# Altium PCB Bi_Dir.PcbDoc
Units mm, origin at the board's own origin, x right, y up, seen from the top; angles counter-clockwise.
Board outline 100 x 100 mm, 2 copper layers (Top Layer, Bottom Layer); 66 components, 44 nets, 201 pads, 403 vias.
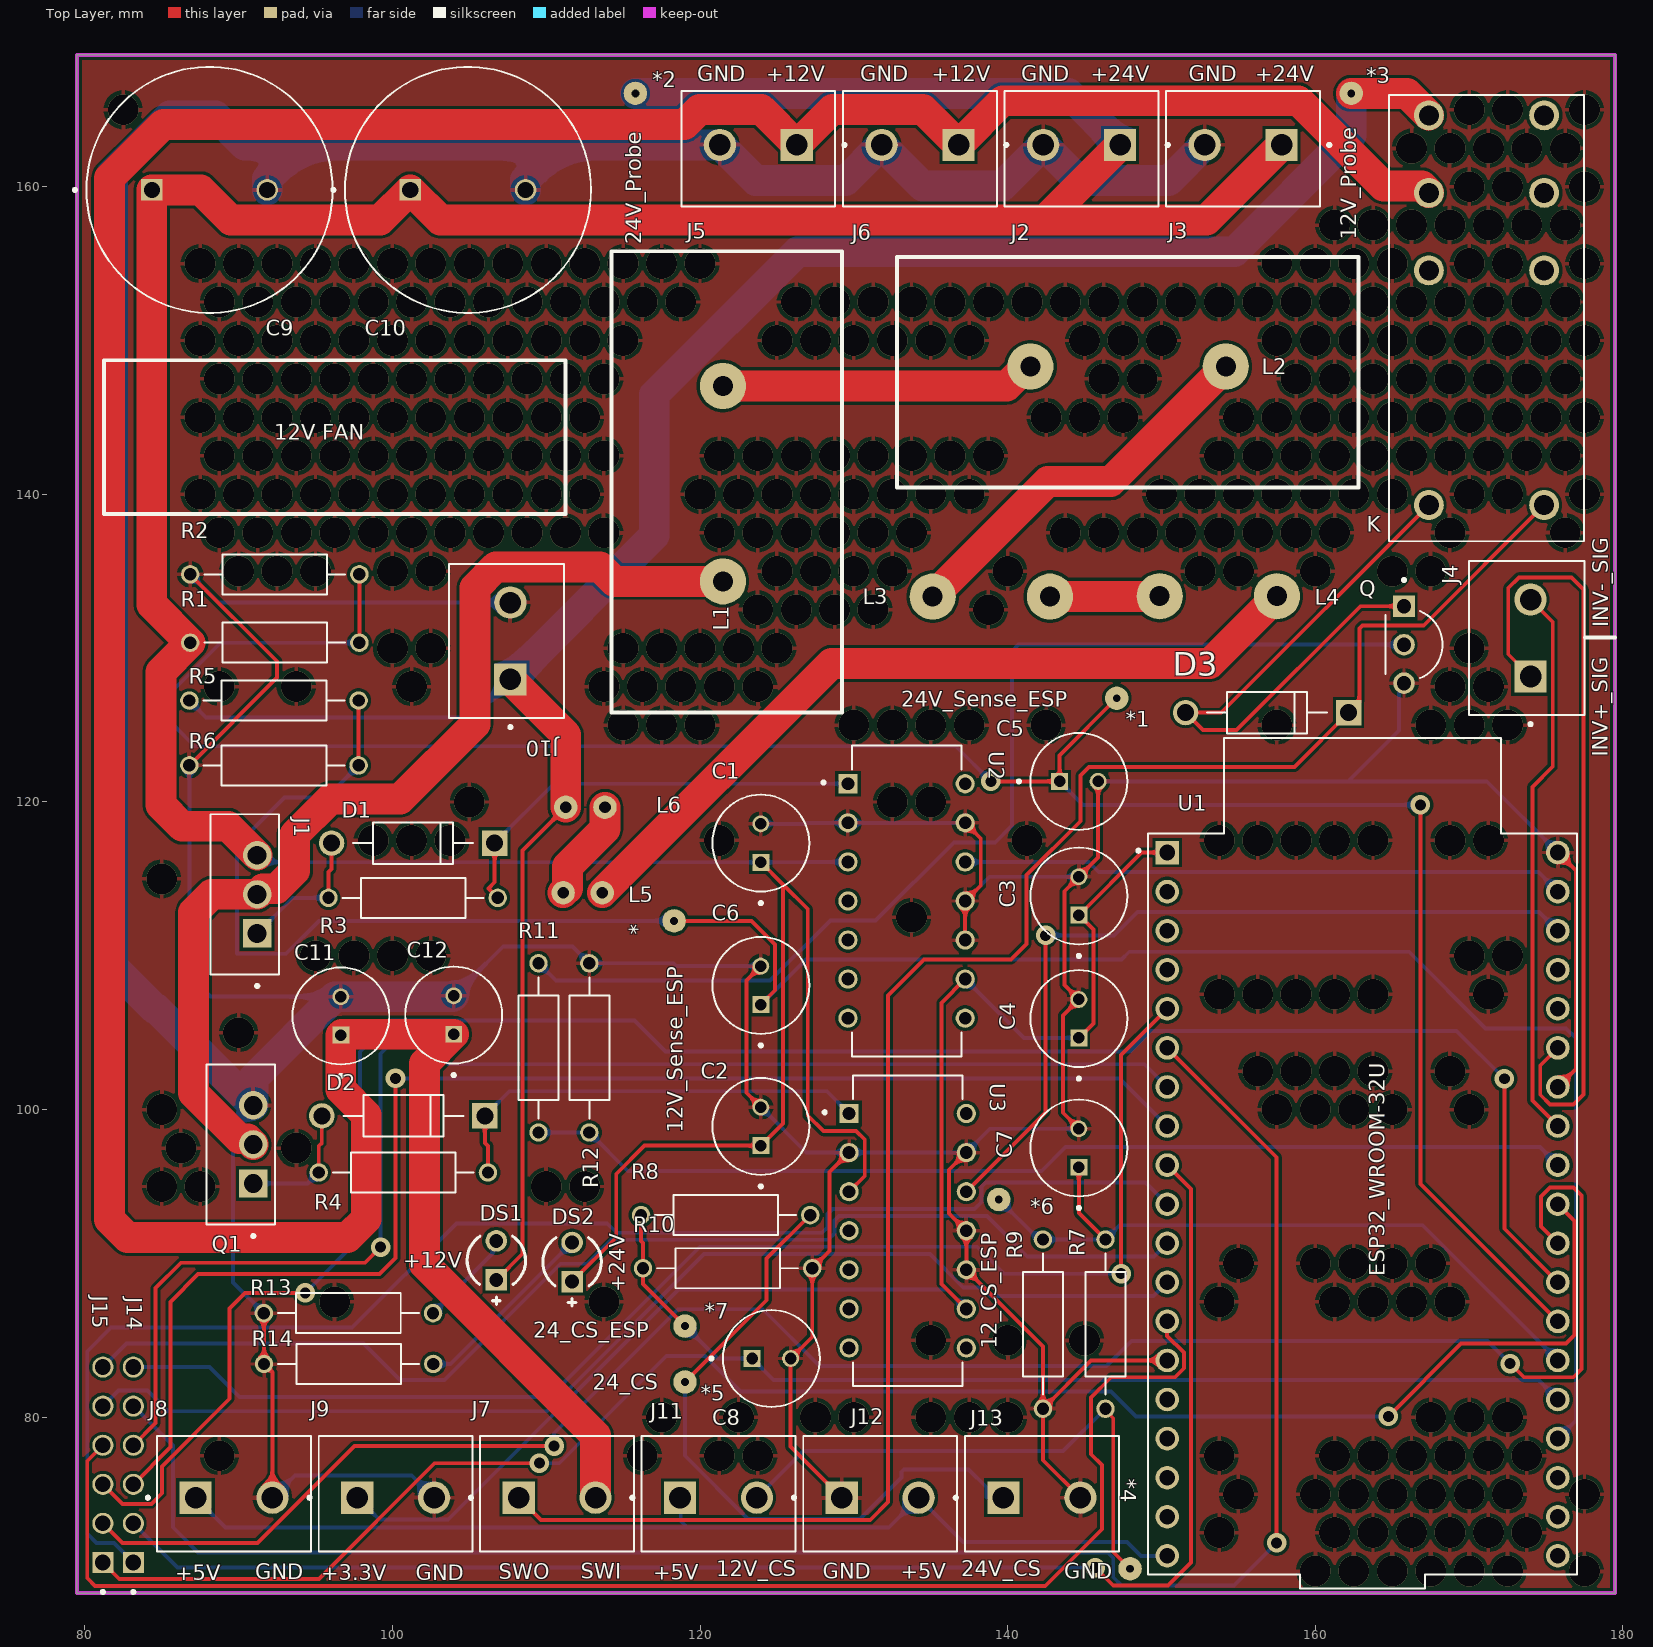
[diagram p0: Top Layer view]
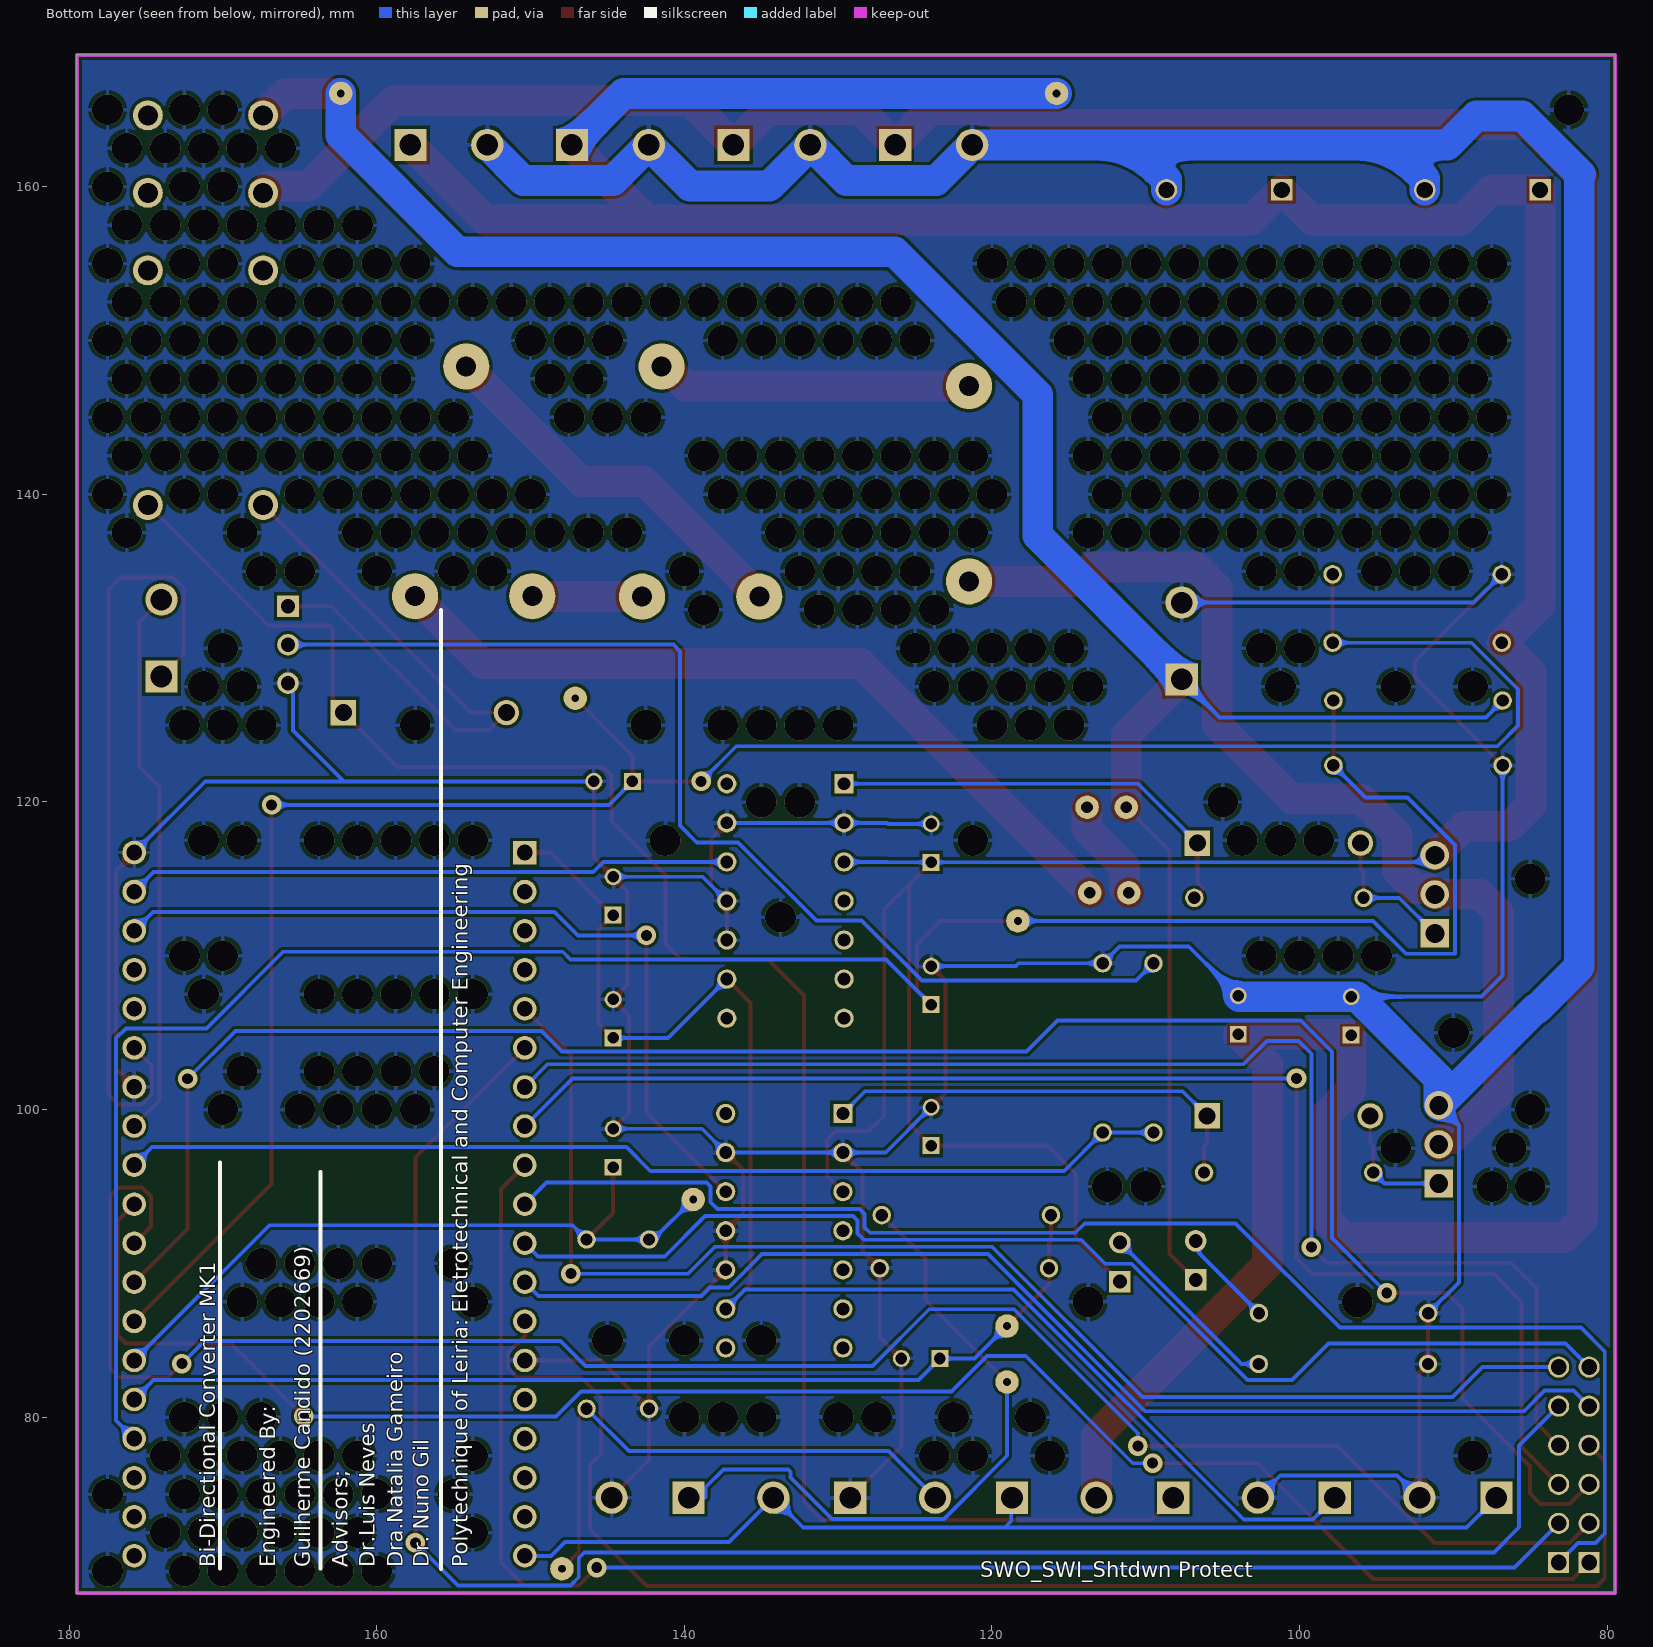
[diagram p1: Bottom Layer view, seen from below]
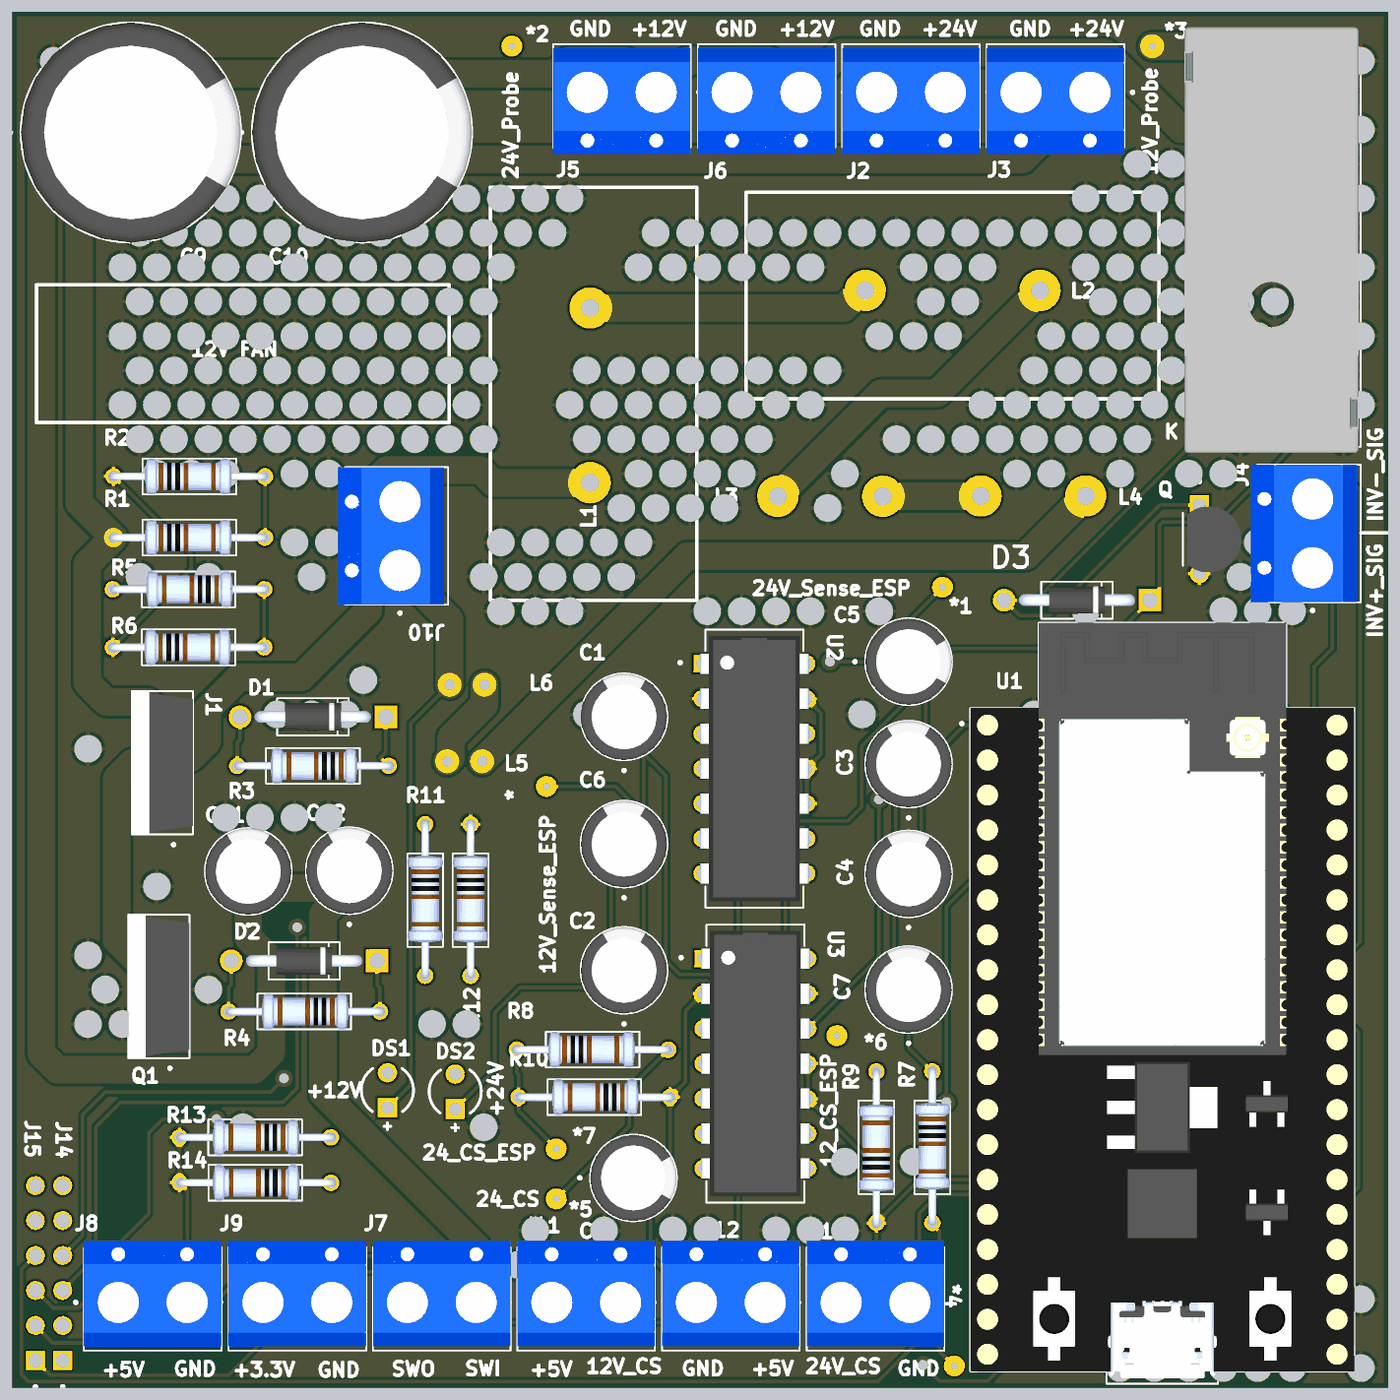
[diagram p2: 3D render of the assembled board from above, using the file's embedded part models]

## Layer stack, top to bottom
Top Solder: solder mask 0.0102, Solder Resist, Dk 3.5
Top Layer: signal copper 0.0356
Dielectric 1: dielectric 0.32, FR-4, Dk 4.8
Bottom Layer: signal copper 0.0356
Bottom Solder: solder mask 0.0102, Solder Resist, Dk 3.5

## Board outline
79.49,68.568 79.49,168.568 179.49,168.568 179.49,68.568

## Design rules (kind name [scope] priority, off if disabled: settings)
Clearance [All] p1: gap=0.2 ignorepadtopadclearanceinfootprint=FALSE
PolygonConnect [All] p1: connectstyle=Relief reliefconductorwidth=0.254 reliefentries=4 polygonreliefangle="90 Angle" airgapwidth=0.254
RoutingVias [All] p1: holewidth=0.711 width=1.27 viastyle="Through Hole" minholewidth=0.711 minwidth=1.27 maxholewidth=0.711 maxwidth=1.27
SolderMaskExpansion [All] p1: expansion=0.102 istentingtop=FALSE
Width [All] p1: maxlimit=2.5 minlimit=0.254 preferedwidth=0.254 minimp=50.000000 maximp=50.000000 favimp=50.000000
30 further rules are at their usual default settings.

## Classes and differential pairs
component class IR2110: C1 C2 C3 C4 U2 U3
component class ESP32: * J14 J15 U1
component class "Current Sense": *4 *5 *6 *7 C7 C8 R7 R8 R9 R10
component class Connectors: C9 C10 C11 C12 D3 DS1 DS2 J2 J3 J4 J5 J6 J7 J8 J9 J10 J11 J12 J13 K Q R11 R12 R13 R14
component class Bi_Dir_Circuit: * *1 *2 *3 C5 C6 D1 D2 J1 L1 L2 L3 L4 L5 L6 Q1 R1 R2 R3 R4 R5 R6

## Components (designator, comment, footprint, x,y, rotation, side; value= is the part's Value field where it differs from the comment)
* "Probe" Probe#1 118.313,112.268 r0 top
*1 "Probe" Probe#1 147.091,126.746 r0 top
*2 "Probe" Probe#2 115.799,165.608 r0 top
*3 "Probe" Probe#1 162.331,166.065 r0 top
*4 "Probe" Probe#1 147.955,70.155 r270 top
*5 "Probe" Probe#1 119.024,82.296 r0 top
*6 "Probe" Probe#1 139.421,94.158 r0 top
*7 "Probe" Probe#3 119.05,85.928 r0 top
C1 "10uF Cap" CAP_10uF 123.952,117.328 r90 top
C2 "10uF Cap" CAP_10uF 123.952,98.908 r90 top
C3 "10uF Cap" CAP_10uF 144.628,113.888 r90 top
C4 "10uF Cap" CAP_10uF 144.628,105.913 r90 top
C5 "10uF Cap" CAP_10uF 144.628,121.336 r0 top
C6 "10uF Cap" CAP_10uF 123.952,108.077 r90 top
C7 "10uF Cap" CAP_10uF 144.628,97.505 r90 top
C8 "10uF Cap" CAP_10uF 124.638,83.82 r0 top
C9 "10uF Cap" 2200uF_Cap 88.113,159.791 r0 top
C10 "10uF Cap" 2200uF_Cap 104.911,159.791 r0 top
C11 "10uF Cap" CAP_10uF 96.647,106.09 r90 top
C12 "10uF Cap" CAP_10uF 103.988,106.147 r90 top
D1 "1N4148" "1N4007 DIODE" 101.346,117.323 r180 top
D2 "1N4148" "1N4007 DIODE" 100.711,99.593 r180 top
D3 "1N4148" "1N4007 DIODE" 156.87,125.806 r180 top
DS1 "LTL-1CHE" LED3mm 106.756,90.195 r90 top
DS2 "LTL-1CHE" LED3mm 111.684,90.094 r90 top
J1 "IRF5305" IRF5305 90.401,113.995 r90 top
J2 "KF301-2P" KF301-2P 144.805,162.712 r180 top
J3 "KF301-2P" KF301-2P 155.306,162.712 r180 top
J4 "KF301-2P" KF301-2P 173.99,130.658 r90 top
J5 "KF301-2P" KF301-2P 123.789,162.712 r180 top
J6 "KF301-2P" KF301-2P 134.304,162.712 r180 top
J7 "KF301-2P" KF301-2P 110.708,74.771 r0 top
J8 "KF301-2P" KF301-2P 89.702,74.771 r0 top
J9 "KF301-2P" KF301-2P 100.214,74.771 r0 top
J10 "KF301-2P" KF301-2P 107.671,130.465 r90 top
J11 "KF301-2P" KF301-2P 121.198,74.771 r0 top
J12 "KF301-2P" KF301-2P 131.71,74.771 r0 top
J13 "KF301-2P" KF301-2P 142.225,74.771 r0 top
J14 "6 Pin Header" 6Pin 80.39,76.911 r270 top
J15 "6 Pin Header" 6Pin 78.408,76.911 r270 top
K "relay 8pin" "Relay socket 8pin" 171.129,151.969 r90 top
L1 "Coil_500mil" "Coil Header_500mil" 121.488,134.341 r0 top
L2 "Coil_500mil" "Coil Header_500mil" 141.478,148.311 r270 top
L3 "Coil_300mil" "Coil Header_300mil" 135.128,133.35 r270 top
L4 "Coil_300mil" "Coil Header_300mil" 149.885,133.375 r270 top
L5 "Coil_100mil" "Coil Header_100mil" 113.64,114.097 r90 top
L6 "Coil_100mil" "Coil Header_100mil" 113.817,119.659 r90 top
Q "BC548" bc548 166.421,130.226 r270 top
Q1 "IRF530NPBF" IRF530N 90.147,97.739 r90 top
R1 "Resistor_Through Hole" "Resistor_Through Hole" 92.354,130.353 r0 top
R2 "Resistor_Through Hole" "Resistor_Through Hole" 92.354,134.798 r0 top
R3 "Resistor_Through Hole" "Resistor_Through Hole" 101.346,113.767 r180 top
R4 "Resistor_Through Hole" "Resistor_Through Hole" 100.711,95.91 r180 top
R5 "Resistor_Through Hole" "Resistor_Through Hole" 92.304,126.594 r180 top
R6 "Resistor_Through Hole" "Resistor_Through Hole" 92.304,122.377 r0 top
R7 "Resistor_Through Hole" "Resistor_Through Hole" 146.355,86.055 r270 top
R8 "Resistor_Through Hole" "Resistor_Through Hole" 121.666,93.142 r0 top
R9 "Resistor_Through Hole" "Resistor_Through Hole" 142.291,86.055 r90 top
R10 "Resistor_Through Hole" "Resistor_Through Hole" 121.793,89.687 r180 top
R11 "Resistor_Through Hole" "Resistor_Through Hole" 109.499,104.013 r270 top
R12 "Resistor_Through Hole" "Resistor_Through Hole" 112.801,104.013 r270 top
R13 "Resistor_Through Hole" "Resistor_Through Hole" 97.143,86.766 r180 top
R14 "Resistor_Through Hole" "Resistor_Through Hole" 97.155,83.464 r180 top
U1 "ESP32-DEVKITC-32U" MODULE_ESP32-DEVKITC-32U 163.068,93.863 r0 top
U2 "IR2110" IR2110 133.426,113.563 r0 top
U3 "IR2110" IR2110 133.502,92.126 r0 top

## Footprints (in the part's own frame and the unit in brackets; to place one, negate y for a bottom-side part, rotate by r counter-clockwise, add the part's x,y. Pads: shape width x height; smd on the part's side, far side on the other; paste and mask are expansions set on the pad)
"1N4007 DIODE" [mm]
  round 1.65 hole 1.1: A(5.3,0)
  rect 1.65x1.65 / inner round 1.65 / far side rect 1.65x1.65 hole 1.1: C(-5.3,0)
  silkscreen extent -3.9,-1.35 3.9,1.35, body extent -4.24,-1 4.24,1, height 2
6Pin [mm]
  rect 1.37x1.37 / inner round 1.37 / far side rect 1.37x1.37 hole 1.02: 01(6.35,2.77)
  round 1.37 hole 1.02: 02(3.81,2.77) 03(1.27,2.77) 04(-1.27,2.77) 05(-3.81,2.77) 06(-6.35,2.77)
  silkscreen extent 8.17,2.67 8.37,2.87
2200uF_Cap [mm]
  round 1.4 hole 1.05: N(3.75,0)
  rect 1.4x1.4 hole 1.05: P(-3.75,0)
  silkscreen extent -8.85,-8 8,8, body extent -8,-8 8,8, height 31.5
bc548 [mm]
  rect 1.4x1.4 hole 0.93: 1(-2.5,-0.655)
  round 1.4 hole 0.93: 2(0,-0.655) 3(2.5,-0.655)
  silkscreen extent -4.3,-1.85 2.18,1.85, body extent -2.4,-1.53 2.4,2.4, height 7.74
CAP_10uF [mm]
  round 1.1 hole 0.75: N(1.25,0)
  rect 1.1x1.1 hole 0.75: P(-1.25,0)
  silkscreen extent -4,-3.15 3.15,3.15, body extent -3.15,-3.15 3.15,3.15, height 11.2
"Coil Header_100mil" [mil]
  round 60 hole 30: 1(0,0) 2(0,100)
"Coil Header_300mil" [mm]
  round 3 hole 1.3: 1(0,0) 2(0,7.62)
"Coil Header_500mil" [mm]
  round 3 hole 1.3: 1(0,0) 2(0,12.7)
IR2110 [mm]
  rect 1.25x1.25 / inner round 1.25 / far side rect 1.25x1.25 hole 0.83: 1(-3.81,7.62)
  round 1.25 hole 0.83: 2(-3.81,5.08) 3(-3.81,2.54) 4(-3.81,0) 5(-3.81,-2.54) 6(-3.81,-5.08) 7(-3.81,-7.62) 8(3.81,-7.62) 9(3.81,-5.08) 10(3.81,-2.54) 11(3.81,0) 12(3.81,2.54) 13(3.81,5.08) 14(3.81,7.62)
  silkscreen extent -5.5,-10.1 3.56,10.1, body extent -3.96,-9.65 3.96,9.65, height 5.33
IRF530N [mm]
  rect 1.845x1.845 hole 1.23: 1(-2.54,-0.81)
  round 1.845 hole 1.23: 2(0,-0.81) 3(2.54,-0.81)
  silkscreen extent -6.06,-2.22 5.21,2.22, body extent -5.21,-2.22 5.21,2.22, height 19.3
IRF5305 [mm]
  rect 1.845x1.845 / inner round 1.845 / far side rect 1.845x1.845 hole 1.23: 1(-2.54,-0.81)
  round 1.845 hole 1.23: 2(0,-0.81) 3(2.54,-0.81)
  silkscreen extent -6.06,-2.22 5.21,2.22, body extent -5.21,-2.22 5.21,2.22, height 19.3
KF301-2P [mm]
  rect 2.1x2.1 hole 1.4: 1(-2.5,0)
  round 2.1 hole 1.4: 2(2.5,0)
  silkscreen extent -5.7,-3.5 5,4, body extent -5,-3.2 5,4.5, height 10
LED3mm [mm] "THD, 2-Leads, Dia 3.8mm, Pitch 2.54mm"
  rect 1.4x1.4 hole 0.9: 1(-1.27,0)
  round 1.4 hole 0.9: 2(1.27,0)
  silkscreen extent -2.87,-1.9 1.58,1.9, body extent -1.9,-1.9 1.9,1.9, height 6.5
MODULE_ESP32-DEVKITC-32U [mm]
  rect 1.53x1.53 / inner round 1.53 / far side rect 1.53x1.53 hole 1.02 mask+0.05: 1(-12.7,22.85)
  round 1.53 hole 1.02 mask+0.05: 2(-12.7,20.31) 3(-12.7,17.77) 4(-12.7,15.23) 5(-12.7,12.69) 6(-12.7,10.15) 7(-12.7,7.61) 8(-12.7,5.07) 9(-12.7,2.53) 10(-12.7,-0.01) 11(-12.7,-2.55) 12(-12.7,-5.09) 13(-12.7,-7.63) 14(-12.7,-10.17) 15(-12.7,-12.71) 16(-12.7,-15.25) 17(-12.7,-17.79) 18(-12.7,-20.33) 19(-12.7,-22.87) 20(12.7,-22.87) 21(12.7,-20.33) 22(12.7,-17.79) 23(12.7,-15.25) 24(12.7,-12.71) 25(12.7,-10.17) 26(12.7,-7.63) 27(12.7,-5.09) 28(12.7,-2.55) 29(12.7,-0.01) 30(12.7,2.53) 31(12.7,5.07) 32(12.7,7.61) 33(12.7,10.15) 34(12.7,12.69) 35(12.7,15.23) 36(12.7,17.77) 37(12.7,20.31) 38(12.7,22.85)
  silkscreen extent -14.67,-25 13.95,30.3, body extent -13.95,-24.62 13.95,30.3, height 7.95
Probe#1 [mil]
  round 60 hole 20: 0(0,0)
Probe#2 [mil]
  round 60 hole 20: 0(0,17.99)
Probe#3 [mil]
  round 60 hole 20: 0(-1.02,0)
"Relay socket 8pin" [mm]
  round 1.95 hole 1.3: 11(7.63,-3.75) 12(2.59,-3.75) 14(12.67,-3.75) 21(7.63,3.75) 22(2.59,3.75) 24(12.67,3.75) A1(-12.67,-3.75) A2(-12.67,3.75)
  silkscreen extent -15.02,-6.35 13.98,6.35, body extent -15.48,-6.2 15.48,6.45, height 8.9
"Resistor_Through Hole" [mm]
  round 1.2 hole 0.8: 1(-5.5,0) 2(5.5,0)
  silkscreen extent -4.58,-1.3 4.58,1.3, body extent -5.84,-1.29 5.71,1.29, height 2.6

## Part data
C1 C2 C3 C4 C5 C6 C7 C8 C9 C10 C11 C12: "CAP ALUM 10UF 20% 50V RADIAL", Package="RADIAL-2 Panasonic", Availability="In Stock", Check_prices=https://www.snapeda.com/parts/ECE-A1HN100UI/Panasonic/view-part/2321690/?ref=eda, MF=Panasonic, MP=ECE-A1HN100UI, Price=None, SnapEDA_Link=https://www.snapeda.com/parts/ECE-A1HN100UI/Panasonic/view-part/2321690/?ref=snap
D1 D2 D3: library part 1N4007, "Diode Standard 1000 V 1A Through Hole DO-41", Package="DO-41 NTE Electronics", Availability="In Stock", Check_prices=https://www.snapeda.com/parts/1N4007/NTE+Electronics/view-part/?ref=eda, MF="NTE Electronics, Inc.", MP=1N4007, Price=None, Purchase-URL=https://pricing.snapeda.com/search/part/1N4007/?ref=eda, SnapEDA_Link=https://www.snapeda.com/parts/1N4007/NTE+Electronics/view-part/?ref=snap
DS1 DS2: library part "RED_LED 3mm", "Radial LED, 12.6 mcd, 20 mA, 2 V, -55 to 100 degC, 2-Pin THD, RoHS, Bulk", Case\Package=Radial, Current Rating="3.6 A", Max Operating Temperature="130 degC", Min Operating Temperature="-40 degC", Package Quantity=55, Resistance="0.045 Ohm", Tolerance=20%, ComponentLink1Description="Manufacturer URL", ComponentLink1URL=http://www.us.liteon.com/, ComponentLink2Description=Datasheet, ComponentLink2URL=https://datasheet.ciiva.com/15117/getdatasheetpartid-187746-15117985.pdf, DatasheetVersion=Dec-03, Height="1.1 inch", Lead Pitch="11.44 mm", Length="0.97 inch", Mount="Through Hole", PackageDescription="2-Pin Through Hole Device, Dia 3.8 mm, Pitch 2.54 mm", PackageReference=LTL-1CHE, Packaging=Tray, Radiation Hardening=No, RoHSCompliant=true, Shielding=Unshielded, Width="0.62 inch"
J1: "P-Channel 55 V 31A (Tc) 3.8W (Ta), 110W (Tc) Surface Mount D2PAK", Package="TO-220 Infineon", Availability="In Stock", Check_prices=https://www.snapeda.com/parts/IRF5305/Infineon+Technologies/view-part/?ref=eda, MF="Infineon Technologies", MP=IRF5305, Price=None, SnapEDA_Link=https://www.snapeda.com/parts/IRF5305/Infineon+Technologies/view-part/?ref=snap
J2 J3 J4 J5 J6 J7 J8 J9 J10 J11 J12 J13: "2 Pin Terminal Block 5mm Pitch", Package=None, Availability=Unavailable, MP=KF301-2P, Price=None
J14 J15: "HEADER, 6 CONTACTS, 1 ROW, THROUGH HOLE, 2.54 MM; Connector Systems:Board-to-Board; Pitch Spacing:2.54mm; No. of Rows:1Rows; No. of Contacts:6Contacts; Contact Termination Type:Through Hole Right Angle; Product Range:HTSW Series RoHS Compliant: Yes", Package=None, Availability="In Stock", Check_prices=https://www.snapeda.com/parts/HTSW10608SSLA/Samtec/view-part/?ref=eda, MF=Samtec, MP=HTSW10608SSLA, Price=None, Purchase-URL=https://pricing.snapeda.com/search/part/HTSW10608SSLA/?ref=eda, SnapEDA_Link=https://www.snapeda.com/parts/HTSW10608SSLA/Samtec/view-part/?ref=snap
K: "General Purpose Relay DPDT _2 Form C_ 24VDC Coil Through Hole", Package=None, Availability=Unavailable, MF="TE Connectivity", MP=1-1393243-0, Price=None, SnapEDA_Link=https://www.snapeda.com/parts/1-1393243-0/TE%20Connectivity%20Potter%20&%20Brumfield%20Relays/view-part/244556/?ref=snap
L1 L2 L3 L4 L5 L6: "Inductor Power Wirewound 470uH 10% 1KHz 25Q-Factor Ferrite 210mA 3.3Ohm DCR T/R", Package="Nonstandard Bourns", Digi-Key_Part_Number=SDR0604-471KLCT-ND, Digi-Key_Purchase_URL=https://www.digikey.com/product-detail/en/bourns-inc/SDR0604-471KL/SDR0604-471KLCT-ND/2352941?utm_source=snapeda&utm_medium=aggregator&utm_campaign=symbol, MF=Bourns, MP=SDR0604-471KL, SnapEDA_Link=https://www.snapeda.com/parts/SDR0604-471KL/Bourns/view-part/567387/?ref=snap
Q: "Bipolar (BJT) Transistor NPN 30V 100mA 300MHz 500mW Through Hole TO-92-3", Package="TO-92 ON Semiconductor", Availability=Warning, DigiKey-Purchase-URL=https://snapeda.com/shop?store=DigiKey&id=2007035, MF="ON Semiconductor", MP=BC548, Price=None, SnapEDA_Link=https://www.snapeda.com/parts/BC548/ON%20Semiconductor/view-part/2007035/?ref=snap
Q1: "RoHS Compliant", Package="TO-220 Infineon", Availability="In Stock", Check_prices=https://www.snapeda.com/parts/IRF530NPBF/Infineon+Technologies/view-part/?ref=eda, MF="Infineon Technologies", MP=IRF530NPBF, Price=None, Purchase-URL=https://pricing.snapeda.com/search/part/IRF530NPBF/?ref=eda, SnapEDA_Link=https://www.snapeda.com/parts/IRF530NPBF/Infineon+Technologies/view-part/?ref=snap
R1 R2 R3 R4 R5 R6 R7 R8 R9 R10 R11 R12 R13 R14: "1.02 Ohms Â±1% 0.25W, 1/4W Through Hole Resistor Axial Metal Film", Package="Axial Yageo", Availability=Warning, Check_prices=https://www.snapeda.com/parts/MFR-25FTE52-1R/Yageo/view-part/4629919/?ref=eda, MF=Yageo, MP=MFR-25FTE52-1R, Price=None, Purchase-URL=https://pricing.snapeda.com/search/part/MFR-25FTE52-1R/?ref=eda, SnapEDA_Link=https://www.snapeda.com/parts/MFR-25FTE52-1R/Yageo/view-part/4629919/?ref=snap
U1: "ESP32-WROOM-32UE series Transceiver; 802.11 b/g/n (Wi-Fi, WiFi, WLAN), BluetoothÂ® Smart Ready 4.x Dual Mode Evaluation Board", Package=None, Availability="In Stock", Check_prices=https://www.snapeda.com/parts/ESP32-DEVKITC-32U/Espressif+Systems/view-part/?ref=eda, MF="Espressif Systems", MP=ESP32-DEVKITC-32U, Price=None, Purchase-URL=https://pricing.snapeda.com/search/part/ESP32-DEVKITC-32U/?ref=eda, SnapEDA_Link=https://www.snapeda.com/parts/ESP32-DEVKITC-32U/Espressif+Systems/view-part/?ref=snap
U2 U3: "Half-Bridge Gate Driver IC Non-Inverting 16-SOIC", Package="SOIC-16 International Rectifier", Availability="In Stock", Check_prices=https://www.snapeda.com/parts/IR2110/Infineon+Technologies/view-part/?ref=eda, MF=Infineon, MP=IR2110, Price=None, Purchase-URL=https://pricing.snapeda.com/search/part/IR2110/?ref=eda, SnapEDA_Link=https://www.snapeda.com/parts/IR2110/Infineon+Technologies/view-part/?ref=snap

## Via types
v1: diameter 2, hole 2, Top Layer to Bottom Layer, tented both sides, 389 vias
v2: diameter 1.27, hole 0.711, Top Layer to Bottom Layer, tented both sides, 14 vias

## Nets (pads, with @x,y where several pads share a name; then routed paths per layer and width w, separated by ;. In a path a pad name is that pad's centre, name@x,y a point inside that pad or via, vN(x,y) a via of type N, cw(c..) or ccw(c..) an arc to the next point about the centre after c; other vN are vias at no path point)
+3.3: C3.P C4.P J9.1 U1.1 U2.9 U3.9 | length 94.8
  Top Layer w0.254: U2.9 135.687,106.934 135.687,88.671 U3.9 ; C4.P 145.567,105.602 145.567,111.699 C3.P 148.703,116.713 U1.1
  Bottom Layer w0.254: J9.1 99.145,73.34 103.632,73.34 118.608,88.316 136.042,88.316 U3.9 ; U2.9 141.057,104.663 C4.P
+5: J8.1 J11.1 J12.2 U1.19 | length 68.5
  Bottom Layer w0.254: J8.1 89.141,72.832 132.271,72.832 J12.2 137.096,71.885 147.765,71.885 148.657,70.993 U1.19 ; J11.1 118.745,74.724 118.745,73.254 119.167,72.832
+12: *3.0 DS1.1 J10.1 K.24 L6.2 R5.2 | length 147.8
  Top Layer w0.254: DS1.1 108.458,90.627 108.458,116.84 L6.2
  Top Layer w2: J10.1 111.277,124.358 L6.2 ; *3.0 165.953,166.065 K.24
  Bottom Layer w0.254: R5.2 87.896,125.501 105.207,125.501 J10.1
  Bottom Layer w2: J10.1 117.023,137.318 117.023,146.47 126.326,155.773 154.74,155.773 162.331,163.364 *3.0
+24: *2.0 C1.P C2.P C9.P C10.P DS2.1 J1.3 J2.1 J3.1 R1.1 U2.3 U3.3 | length 267.8
  Top Layer w0.254: DS2.1 114.554,91.694 114.554,95.809 116.403,97.658 C2.P 125.391,99.097 125.391,114.639 ; C1.P 125.391,114.639 ; U3.3 130.708,95.682 130.708,98.044 130.15,98.603 128.016,98.603 127,99.619 127,113.03 125.391,114.639
  Top Layer w2: J1.3 89.332,118.415 86.338,118.415 84.95,119.803 84.95,128.448 R1.1 84.363,132.845 C9.P 87.54,159.791 89.494,157.837 99.208,157.837 C10.P 103.115,157.837 142.43,157.837 ; J2.1 142.43,157.837 ; J3.1 152.931,157.837 142.43,157.837
  Bottom Layer w0.254: J1.3 91.211,116.078 C1.P 126.771,116.078 126.797,116.103 U2.3
  Bottom Layer w2: *2.0 143.953,166.065 J2.1
GND: C1.N C2.N C3.N C4.N C5.N C6.N C7.N C8.N C9.N C10.N C11.N C12.N J2.2 J3.2 J5.2 J6.2 J8.2 J9.2 J10.2 J12.1 J13.2 Q1.3 Q.3 R2.1 R6.1 R9.1 R10.1 R12.1 R13.2 R14.2 U1.14 U1.32 U1.38 U2.2 U2.10 U2.11 U2.13 U3.2 U3.10 U3.11 U3.13 | length 496.2
  Top Layer w0.254: R6.1 92.507,128.08 92.507,129.145 R2.1 ; R13.2 91.643,85.102 91.655,85.09 R14.2 92.202,82.917 J8.2 ; C2.N 123.012,101.097 123.012,108.387 C6.N ; J12.1 125.888,78.093 C8.N 127.293,85.225 R10.1 128.422,90.817 128.422,95.936 U3.2 ; U2.10 U2.11 138.252,114.579 138.252,117.627 U2.13 ; U3.13 136.195,96.088 136.195,93.243 U3.11 U3.10 142.291,84.607 R9.1 ; C7.N 143.586,99.797 143.586,106.121 C4.N 143.688,108.103 143.688,114.198 C3.N 145.878,116.388 C5.N ; J13.2 142.291,77.206 R9.1 ; U1.14 145.429,83.693 R9.1 ; U1.32 176.936,102.641 176.936,115.545 U1.38
  Bottom Layer w0.254: R6.1 86.804,108.712 88.175,107.34 96.274,107.34 C11.N ; R2.1 88.687,132.965 J10.2 ; Q1.3 89.637,98.958 89.637,88.773 R13.2 ; J8.2 93.656,76.225 101.259,76.225 J9.2 ; C12.N 107.208,110.617 111.697,110.617 R12.1 118.262,109.513 118.448,109.327 C6.N ; C2.N 126.904,97.206 U3.2 U3.13 138.862,98.755 C7.N ; C1.N 126.746,118.578 126.811,118.643 U2.2 U2.13 ; U2.11 138.811,115.138 C3.N ; C5.N 162.128,121.336 ; Q.3 165.766,127.416 165.438,127.088 165.438,124.645 162.128,121.336 ; U1.38 171.145,121.336 162.128,121.336
  Bottom Layer w2: C9.N 91.863,160.493 94.082,162.712 ; C12.N 103.931,107.34 C11.N 96.274,107.34 90.957,102.024 Q1.3 84.684,106.553 84.557,106.553 81.813,109.296 81.813,160.706 81.727,160.792 85.528,164.592 88.519,164.592 90.399,162.712 94.082,162.712 ; C10.N 108.661,160.452 110.922,162.712 ; J3.2 152.779,162.712 150.475,160.408 144.636,160.408 142.332,162.712 J2.2 139.638,160.045 134.471,160.045 J6.2 131.777,162.712 129.473,160.408 123.62,160.408 121.316,162.712 J5.2 110.922,162.712 ; 94.082,162.712 110.922,162.712
  other v1: 160,70 162.5,70 165,70 167.5,70 170,70 172.5,70 177.5,70 153.75,72.5 161.25,72.5 163.75,72.5 166.25,72.5 168.75,72.5 171.25,72.5 173.75,72.5 155,75 160,75 162.5,75 165,75 167.5,75 170,75 172.5,75 177.5,75 88.75,77.5 116.25,77.5 121.25,77.5 123.75,77.5 153.75,77.5 161.25,77.5 163.75,77.5 166.25,77.5 168.75,77.5 171.25,77.5 173.75,77.5 117.5,80 122.5,80 127.5,80 130,80 135,80 137.5,80 140,80 167.5,80 170,80 172.5,80 135,85 140,85 145,85 96.25,87.5 113.75,87.5 153.75,87.5 161.25,87.5 163.75,87.5 166.25,87.5 168.75,87.5 155,90 160,90 162.5,90 165,90 167.5,90 85,95 87.5,95 110,95 112.5,95 86.25,97.5 93.75,97.5 85,100 157.5,100 160,100 162.5,100 165,100 170,100 156.25,102.5 158.75,102.5 161.25,102.5 163.75,102.5 168.75,102.5 90,105 153.75,107.5 156.25,107.5 158.75,107.5 161.25,107.5 163.75,107.5 171.25,107.5 95,110 97.5,110 100,110 102.5,110 170,110 172.5,110 133.75,112.5 85,115 98.75,117.5 101.25,117.5 103.75,117.5 121.25,117.5 141.25,117.5 153.75,117.5 156.25,117.5 158.75,117.5 161.25,117.5 163.75,117.5 168.75,117.5 171.25,117.5 105,120 132.5,120 135,120 115,125 117.5,125 120,125 130,125 132.5,125 135,125 137.5,125 142.5,125 157.5,125 167.5,125 170,125 172.5,125 88.75,127.5 93.75,127.5 101.25,127.5 113.75,127.5 116.25,127.5 118.75,127.5 121.25,127.5 123.75,127.5 168.75,127.5 171.25,127.5 100,130 102.5,130 115,130 117.5,130 120,130 122.5,130 125,130 170,130 123.75,132.5 126.25,132.5 128.75,132.5 131.25,132.5 138.75,132.5 90,135 92.5,135 95,135 100,135 102.5,135 125,135 127.5,135 130,135 132.5,135 140,135 152.5,135 155,135 160,135 165,135 167.5,135 88.75,137.5 91.25,137.5 93.75,137.5 96.25,137.5 98.75,137.5 101.25,137.5 103.75,137.5 106.25,137.5 108.75,137.5 111.25,137.5 113.75,137.5 121.25,137.5 123.75,137.5 126.25,137.5 128.75,137.5 131.25,137.5 133.75,137.5 143.75,137.5 146.25,137.5 148.75,137.5 151.25,137.5 153.75,137.5 156.25,137.5 158.75,137.5 161.25,137.5 168.75,137.5 176.25,137.5 87.5,140 90,140 92.5,140 95,140 97.5,140 100,140 102.5,140 105,140 107.5,140 110,140 112.5,140 120,140 122.5,140 125,140 127.5,140 130,140 132.5,140 135,140 137.5,140 150,140 152.5,140 155,140 157.5,140 160,140 162.5,140 165,140 170,140 172.5,140 177.5,140 88.75,142.5 91.25,142.5 93.75,142.5 96.25,142.5 98.75,142.5 101.25,142.5 103.75,142.5 106.25,142.5 108.75,142.5 111.25,142.5 113.75,142.5 121.25,142.5 123.75,142.5 126.25,142.5 128.75,142.5 131.25,142.5 133.75,142.5 136.25,142.5 138.75,142.5 153.75,142.5 156.25,142.5 158.75,142.5 161.25,142.5 163.75,142.5 166.25,142.5 168.75,142.5 171.25,142.5 173.75,142.5 176.25,142.5 87.5,145 90,145 92.5,145 95,145 97.5,145 100,145 102.5,145 105,145 107.5,145 110,145 112.5,145 142.5,145 145,145 147.5,145 155,145 157.5,145 160,145 162.5,145 165,145 167.5,145 170,145 172.5,145 175,145 177.5,145 88.75,147.5 91.25,147.5 93.75,147.5 96.25,147.5 98.75,147.5 101.25,147.5 103.75,147.5 106.25,147.5 108.75,147.5 111.25,147.5 113.75,147.5 146.25,147.5 148.75,147.5 158.75,147.5 161.25,147.5 163.75,147.5 166.25,147.5 168.75,147.5 171.25,147.5 173.75,147.5 176.25,147.5 87.5,150 90,150 92.5,150 95,150 97.5,150 100,150 102.5,150 105,150 107.5,150 110,150 112.5,150 115,150 125,150 127.5,150 130,150 132.5,150 135,150 137.5,150 145,150 147.5,150 150,150 157.5,150 160,150 162.5,150 165,150 167.5,150 170,150 172.5,150 175,150 177.5,150 88.75,152.5 91.25,152.5 93.75,152.5 96.25,152.5 98.75,152.5 101.25,152.5 103.75,152.5 106.25,152.5 108.75,152.5 111.25,152.5 113.75,152.5 116.25,152.5 118.75,152.5 126.25,152.5 128.75,152.5 131.25,152.5 133.75,152.5 136.25,152.5 138.75,152.5 141.25,152.5 143.75,152.5 146.25,152.5 148.75,152.5 151.25,152.5 153.75,152.5 156.25,152.5 158.75,152.5 161.25,152.5 163.75,152.5 166.25,152.5 168.75,152.5 171.25,152.5 173.75,152.5 176.25,152.5 87.5,155 90,155 92.5,155 95,155 97.5,155 100,155 102.5,155 105,155 107.5,155 110,155 112.5,155 115,155 117.5,155 120,155 157.5,155 160,155 162.5,155 165,155 170,155 172.5,155 177.5,155 161.25,157.5 163.75,157.5 166.25,157.5 168.75,157.5 171.25,157.5 173.75,157.5 176.25,157.5 170,160 172.5,160 177.5,160 166.25,162.5 168.75,162.5 171.25,162.5 173.75,162.5 176.25,162.5 82.5,165 170,165 172.5,165 177.5,165
Net*1_0: *1.0 C5.P R1.2 R2.2 U1.26 | length 147.5
  Top Layer w0.254: R1.2 R2.2 ; v2(138.913,121.336) C5.P 143.378,123.033 *1.0 ; v2(166.827,119.812) 166.827,95.174 U1.26
  Bottom Layer w0.254: R1.2 88.824,130.353 85.801,127.33 85.801,124.968 87.147,123.622 136.627,123.622 v2(138.913,121.336) ; C5.P 144.902,119.812 v2(166.827,119.812)
Net*4_0: *4.0 J11.2 R7.2 | length 36.1
  Top Layer w0.254: R7.2 146.355,80.441 146.863,79.933 146.863,71.247 *4.0
  Bottom Layer w0.254: J11.2 126.727,77.8 143.599,77.8 R7.2
Net*5_0: *5.0 J13.1 R8.2 | length 44.1
  Top Layer w0.254: *5.0 124.333,87.605 124.333,90.309 R8.2
  Bottom Layer w0.254: *5.0 119.024,77.497 123.128,73.394 130.395,73.394 133.096,76.095 133.096,76.458 133.245,76.606 137.465,76.606 138.608,75.463 138.608,74.803 138.64,74.771 J13.1
Net*6_0: *6.0 C7.P R7.1 R9.2 U1.25 | length 46.9
  Top Layer w0.254: C7.P 144.628,93.282 R7.1
  Bottom Layer w0.254: *6.0 142.023,91.555 R9.2 R7.1 147.281,92.481 166.98,92.481 U1.25
Net*7_0: *7.0 C8.P R8.1 R10.2 U1.24 | length 67.1
  Top Layer w0.254: R8.1 116.166,91.465 116.293,91.338 R10.2 116.293,88.659 *7.0
  Bottom Layer w0.254: *7.0 121.132,83.82 C8.P 124.785,82.423 174.498,82.423 U1.24
Net*_0: *.0 C6.P R5.1 R6.2 U1.23 | length 145.4
  Top Layer w0.254: R6.2 97.804,124.46 R5.1 ; *.0 123.359,112.268 124.883,110.744 124.883,107.758 C6.P
  Bottom Layer w0.254: R6.2 95.721,120.294 92.989,120.294 89.891,117.196 89.891,110.134 93.091,110.134 95.225,112.268 *.0 ; C6.P 126.878,109.753 147.396,109.753 147.904,110.261 166.091,110.261 171.069,105.283 176.301,105.283 176.936,104.648 176.936,79.781 U1.23
NetC11_P: C11.P C12.P J5.1 J6.1 J7.2 K.21 | length 235.1
  Top Layer w2: J7.2 113.208,78.824 102.083,89.949 102.083,102.992 C12.P 96.703,104.897 C11.P 96.647,101.298 98.298,99.647 98.298,92.888 97.088,91.678 82.782,91.678 81.61,92.849 81.61,160.56 85.1,164.049 118.99,164.049 119.958,165.016 123.985,165.016 J5.1 128.593,165.016 134.5,165.016 J6.1 139.683,165.591 158.894,165.591 164.44,160.045 166.933,160.045 K.21
NetD1_A: D1.A J1.1 R3.2 | length 9.2
  Top Layer w0.254: R3.2 95.846,115.443 96.046,115.643 D1.A
  Bottom Layer w0.254: J1.1 93.523,113.767 R3.2
NetD1_C: D1.C R3.1 U2.1 | length 28.5
  Top Layer w0.254: D1.C 106.646,114.783 106.238,114.375 R3.1
  Bottom Layer w0.254: D1.C 110.507,121.183 U2.1
NetD2_A: D2.A Q1.1 R4.2 | length 8.3
  Top Layer w0.254: R4.2 95.211,97.638 95.411,97.838 D2.A
  Bottom Layer w0.254: Q1.1 94.5,95.199 R4.2
NetD2_C: D2.C R4.1 U3.1 | length 28.7
  Top Layer w0.254: D2.C 106.011,97.838 106.211,97.638 R4.1
  Bottom Layer w0.254: D2.C 107.611,101.194 128.245,101.194 U3.1
NetD3_A: D3.A K.A2 Q.1 | length 39.4
  Top Layer w0.254: Q.1 162.926,132.726 154.889,124.689 152.688,124.689 D3.A 153.886,125.806 K.A2
NetD3_C: D3.C J7.1 K.A1 | length 121
  Top Layer w0.254: J7.1 109.649,73.33 131.064,73.33 132.232,74.498 132.232,107.417 134.569,109.753 140.208,109.753 141.224,110.769 141.224,115.24 144.729,118.745 144.729,121.717 145.288,122.276 158.64,122.276 D3.C 162.868,126.504 162.868,131.271 163.068,131.47 167.05,131.47 K.A1
NetDS1_2: DS1.2 R13.1 | length 6.3
  Bottom Layer w0.254: R13.1 106.479,90.602 DS1.2
NetDS2_2: DS2.2 R14.1 | length 12.3
  Bottom Layer w0.254: R14.1 103.784,83.464 DS2.2
NetJ1_2: J1.2 L1.1 Q1.2 | length 67.7
  Top Layer w2: Q1.2 90.594,98.103 90.056,98.103 87.071,101.087 87.071,112.824 88.243,113.995 J1.2 91.575,114.359 92.477,114.359 93.649,115.53 93.649,117.866 95.976,120.193 100.508,120.193 105.367,125.052 105.367,133.92 106.716,135.269 113.503,135.269 114.431,134.341 L1.1
NetJ4_1: J4.1 U1.33 | length 51.6
  Top Layer w0.254: J4.1 172.542,129.605 172.542,133.909 173.228,134.595 176.657,134.595 177.444,133.807 177.444,100.987 176.784,100.327 175.26,100.327 174.622,100.965 174.622,102.867 U1.33
NetJ4_2: J4.2 U1.31 | length 36.1
  Top Layer w0.254: J4.2 175.438,131.71 175.438,122.301 174.114,120.977 174.114,100.587 U1.31
NetJ14_01: J14.01 U1.10 | length 92.6
  Bottom Layer w0.254: J14.01 81.889,71.831 80.772,71.831 80.162,72.441 80.162,84.277 81.712,85.827 97.384,85.827 104.165,92.608 113.97,92.608 114.586,91.992 127.933,91.992 128.286,92.345 128.286,93.218 128.6,93.532 137.855,93.532 138.303,93.98 138.303,94.996 138.557,95.25 148.971,95.25 U1.10
NetJ14_02: J14.02 U1.9 | length 97.5
  Top Layer w0.254: v2(145.694,70.231) 146.863,69.063 150.419,69.063 151.914,70.558 151.914,94.847 U1.9
  Bottom Layer w0.254: J14.02 86.03,70.231 v2(145.694,70.231)
NetJ14_03: J14.03 U1.8 | length 91.8
  Top Layer w0.254: J14.03 85.573,78.054 85.573,87.503 87.376,89.306 99.162,89.306 100.203,90.348 v2(100.203,102.032)
  Bottom Layer w0.254: v2(100.203,102.032) 147.269,102.032 U1.8
NetJ14_04: J14.04 U1.7 | length 91.8
  Top Layer w0.254: J14.04 84.607,79.629 84.607,88.392 86.258,90.043 98.222,90.043 v2(99.238,91.059)
  Bottom Layer w0.254: v2(99.238,91.059) 99.238,103.632 100.076,104.47 102.133,104.47 103.657,102.946 148.895,102.946 U1.7
NetJ14_05: J14.05 U1.6 | length 119.3
  Top Layer w0.254: U1.6 157.48,96.901 v2(157.48,71.831)
  Bottom Layer w0.254: J14.05 85.725,78.156 85.725,72.847 87.376,71.196 146.507,71.196 146.863,70.841 146.863,69.596 147.396,69.063 154.711,69.063 v2(157.48,71.831)
NetJ14_06: J14.06 U1.5 | length 88.3
  Top Layer w0.254: v2(147.371,89.332) 147.371,103.556 U1.5
  Bottom Layer w0.254: J14.06 88.113,83.261 90.068,81.305 110.211,81.305 119.99,91.084 137.998,91.084 139.751,89.332 v2(147.371,89.332)
NetJ15_01: J15.01 U1.29 | length 114.9
  Top Layer w0.254: J15.01 82.245,69.494 95.225,69.494 102.743,77.013 v2(109.558,77.013) ; v2(164.744,80.061) 169.469,84.785 176.301,84.785 176.86,85.344 176.86,92.761 U1.29
  Bottom Layer w0.254: v2(109.558,77.013) 110.846,77.013 117.805,83.972 120.334,83.972 122.62,81.686 146.71,81.686 148.336,80.061 v2(164.744,80.061)
NetJ15_02: J15.02 U1.28 | length 124.7
  Top Layer w0.254: J15.02 82.448,71.831 91.237,71.831 97.536,78.13 v2(110.515,78.13) ; v2(172.669,83.49) 173.558,82.601 176.784,82.601 177.317,83.134 177.317,94.412 176.784,94.945 175.26,94.945 174.676,94.361 174.676,92.405 U1.28
  Bottom Layer w0.254: v2(110.515,78.13) 110.515,78.96 118.576,87.02 124.079,87.02 127.762,83.337 146.431,83.337 148.057,84.963 171.196,84.963 v2(172.669,83.49)
NetJ15_03: J15.03 U1.27 | length 133.5
  Top Layer w0.254: J15.03 82.448,74.371 84.328,74.371 85.014,75.057 85.014,76.81 89.408,81.204 89.408,87.071 90.424,88.087 v2(94.336,88.087) ; v2(172.288,102.006) 172.288,92.253 U1.27
  Bottom Layer w0.254: v2(94.336,88.087) 97.892,91.643 97.892,103.759 99.924,105.791 115.748,105.791 117.754,103.784 147.955,103.784 149.276,105.105 169.189,105.105 v2(172.288,102.006)
NetJ15_04: J15.04 U1.13 | length 95.9
  Top Layer w0.254: J15.04 80.162,77.165 80.162,69.545 80.67,69.037 142.443,69.037 146.126,72.72 146.126,76.886 145.415,77.597 145.415,81.28 146.736,82.601 150.876,82.601 151.46,83.185 151.46,84.201 150.368,85.293 U1.13
NetJ15_05: J15.05 U1.12 | length 75.9
  Bottom Layer w0.254: J15.05 82.194,81.737 84.074,81.737 85.42,80.391 110.041,80.391 120.264,90.614 134.937,90.614 137.109,88.443 138.328,88.443 138.887,87.884 149.479,87.884 U1.12
NetJ15_06: J15.06 U1.11 | length 77.2
  Bottom Layer w0.254: J15.06 82.702,84.785 98.12,84.785 100.482,82.423 103.385,82.423 110.942,89.98 112.637,89.98 114.195,91.538 128.331,91.538 128.74,91.948 128.74,92.786 129.032,93.078 138.646,93.078 141.275,90.449 149.504,90.449 U1.11
NetL1_2: L1.2 L2.1 | length 20.5
  Top Layer w2: L1.2 139.937,147.041 141.207,148.311 L2.1
NetL2_2: L2.2 L3.1 | length 25.2
  Top Layer w2: L3.1 142.608,140.83 146.698,140.83 L2.2
NetL3_2: L3.2 L4.1 | length 7.1
  Top Layer w2: L3.2 142.761,133.363 149.873,133.363 L4.1
NetL4_2: L4.2 L5.1 | length 51.9
  Top Layer w2: L5.1 128.549,129.007 153.137,129.007 L4.2
NetL5_2: L5.2 L6.1 | length 6.7
  Top Layer w2: L5.2 111.386,114.383 111.386,115.805 113.817,118.237 L6.1
NetQ_2: Q.2 R11.1 | length 72.4
  Bottom Layer w0.254: R11.1 110.631,108.382 124.562,108.382 128.473,112.293 131.42,112.293 136.5,117.373 139.192,117.373 140.284,118.466 140.284,129.794 140.716,130.226 Q.2
NetR11_2: R11.2 R12.2 U1.30 | length 68.4
  Bottom Layer w0.254: R11.2 R12.2 115.302,96.012 142.215,96.012 143.764,97.561 174.6,97.561 U1.30
NetU1_36: U1.36 U3.12 | length 53.2
  Top Layer w0.254: U3.12 142.469,99.822 v2(142.469,111.328)
  Bottom Layer w0.254: v2(142.469,111.328) 146.914,111.328 148.438,112.852 174.549,112.852 U1.36
NetU1_37: U1.37 U2.12 | length 39.3
  Bottom Layer w0.254: U2.12 145.263,116.103 145.923,115.443 174.498,115.443 U1.37
pads on no net: K.11 K.12 K.14 K.22 U1.2 U1.3 U1.4 U1.15 U1.16 U1.17 U1.18 U1.20 U1.21 U1.22 U1.34 U1.35 U2.4 U2.5 U2.6 U2.7 U2.8 U2.14 U3.4 U3.5 U3.6 U3.7 U3.8 U3.14

## Polygon pours and split planes (outlines as drawn)
GND on Bottom Layer "GND_L02_P000" (solid, remove dead copper, pour order 0): 65.583,188.9 77.521,176.962 220.066,176.962 220.066,61.824 191.948,33.706 178.765,46.888 57.379,46.888
GND on Top Layer "GND_L01_P002" (solid, remove dead copper, pour order 2): 75.032,206.807 86.97,194.869 229.514,194.869 229.514,79.731 201.397,51.613 188.214,64.795 66.827,64.795

## Keep-outs
Keep-Out Layer:
  the board outline again, w0.254

## Silkscreen, mask and mechanical layers (free items; w line width, h text height)
Top Overlay:
  lines w0.254: 177.515,130.683 179.476,130.683 ; 81.252,138.717 111.252,138.717 111.252,148.717 81.252,148.717 81.252,138.717 ; 114.235,125.804 129.235,125.804 129.235,155.804 114.235,155.804 114.235,125.804 ; 132.814,140.437 132.814,155.437 162.814,155.437 162.814,140.437 132.814,140.437
  text "GND" at 119.812,166.853 h1
  text "+12V" at 124.308,166.853 h1
  text "GND" at 130.404,166.853 h1
  text "+12V" at 135.052,166.853 h1
  text "GND" at 140.868,166.853 h1
  text "+24V" at 145.415,166.853 h1
  text "GND" at 151.765,166.853 h1
  text "+24V" at 156.083,166.853 h1
  text "12V_Probe" at 162.647,156.54 h1 r90
  text "24V_Probe" at 116.191,156.261 h1 r90
  text "12V FAN" at 92.329,143.561 h1
  text "INV-_SIG" at 179.03,131.369 h1 r90
  text "24V_Sense_ESP" at 133.096,126.201 h1
  text "INV+_SIG" at 179.005,122.936 h1 r90
  text "12V_Sense_ESP" at 118.883,98.501 h1 r90
  text "+12V" at 100.711,89.713 h1
  text "ESP32_WROOM-32U" at 164.527,89.179 h1 r90
  text "+24V" at 115.113,88.113 h1 r90
  text "24_CS_ESP" at 109.144,85.18 h1
  text "12_CS_ESP" at 139.305,84.455 h1 r90
  text "24_CS" at 113.03,81.802 h1
  text "12V_CS" at 121.056,69.661 h1
  text "24V_CS" at 136.982,69.661 h1
  text "SWI" at 112.243,69.494 h1
  text "GND" at 127.991,69.494 h1
  text "+5V" at 133.045,69.494 h1
  text "GND" at 143.662,69.494 h1
  text "GND" at 91.084,69.469 h1
  text "SWO" at 106.909,69.469 h1
  text "+5V" at 116.967,69.444 h1
  text "+5V" at 85.877,69.418 h1
  text "+3.3V" at 95.377,69.418 h1
  text "GND" at 101.524,69.393 h1
Bottom Overlay:
  lines w0.254: 155.829,70.129 155.829,132.486 ; 163.652,70.18 163.652,95.936 ; 170.18,70.155 170.18,96.571
  text "Polytechnique of Leiria: Eletrotechnical and Computer Engineering" at 154.079,70.241 h1 r270
  text "Dr. Nuno Gil" at 156.606,70.241 h1 r270
  text "Dra.Natalia Gameiro" at 158.308,70.241 h1 r270
  text "Dr.Luis Neves" at 160.111,70.241 h1 r270
  text "Advisors;" at 161.878,70.241 h1 r270
  text "Guilherme Candido (2202669)" at 164.327,70.241 h1 r270
  text "Engineered By:" at 166.591,70.241 h1 r270
  text "Bi-Directional Converter MK1" at 170.51,70.241 h1 r270
  text "SWO_SWI_Shtdwn Protect" at 120.777,69.61 h1